# Altium PCB Mixed Signal Project.PcbDoc (part 3 of 3) (continued)
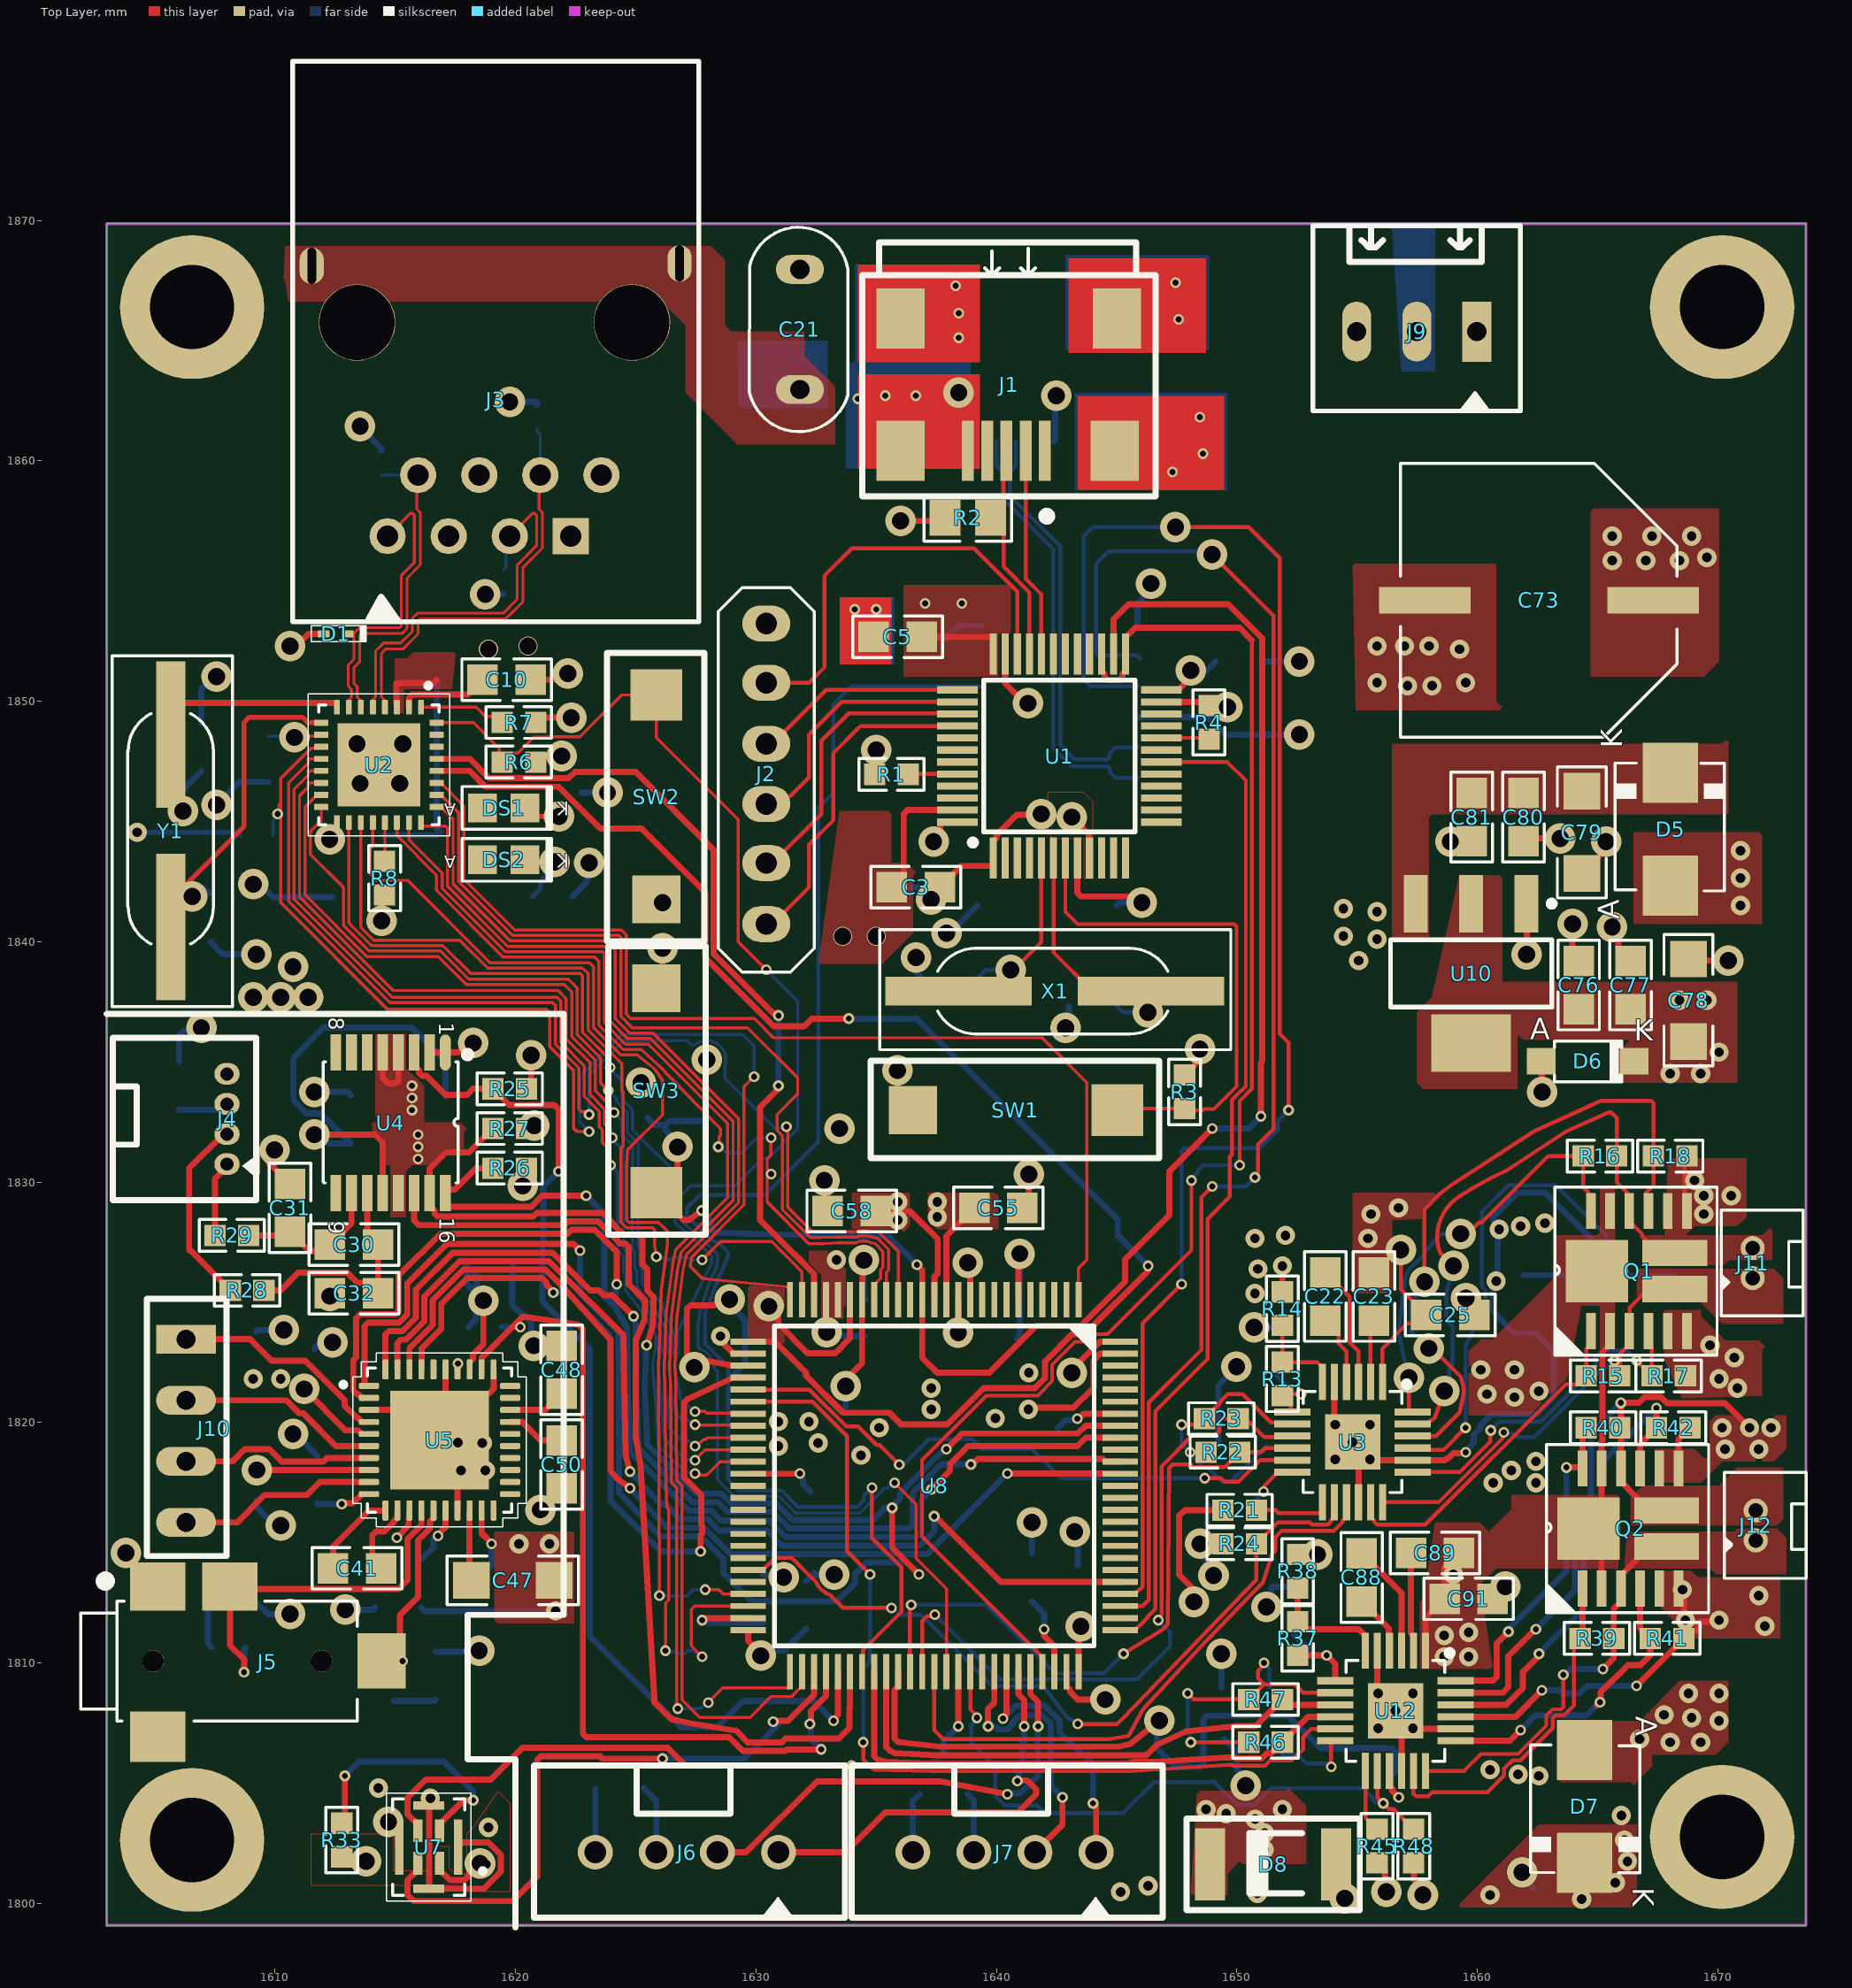
[diagram p0: Top Layer view]
## Nets (pads, with @x,y where several pads share a name; then routed paths per layer and width w, separated by ;. In a path a pad name is that pad's centre, name@x,y a point inside that pad or via, vN(x,y) a via of type N, cw(c..) or ccw(c..) an arc to the next point about the centre after c; other vN are vias at no path point) (continued)
  Bottom Layer w0.127: v1(1628.431,1831.467) 1628.511,1831.467 1628.765,1831.213 1629.41,1831.213 1630.045,1831.848 v1(1630.624,1831.848)
TX_D0: U2.24 U8.51 | length 52.5
  Top Layer w0.127: U2.24@1616.067,1844.955 1616.067,1844.864 1616.129,1844.802 1617.091,1844.802 1617.174,1844.719 1617.174,1842.312 1619.679,1839.807 1623.848,1839.807 1623.922,1839.732 1623.922,1836.708 1624.663,1835.967 1625.621,1835.967 1629.047,1832.542 1629.047,1829.247 1626.88,1827.081 1626.752,1826.473 1626.741,1826.392 1626.479,1824.419 1626.405,1822.337 1626.405,1822.335 ccw(c1627.43,1822.296) 1626.406,1822.246 1626.406,1822.24 1626.434,1821.73 1626.435,1821.648 1626.48,1817.496 1626.516,1817.459 1626.692,1817.283 1626.692,1808.15 v1(1626.743,1808.099) ; v1(1628.013,1808.353) 1628.618,1808.958 1631.347,1808.958 1631.411,1809.021 U8.51@1631.411,1809.632
  Bottom Layer w0.127: v1(1626.743,1808.099) 1627.679,1808.099 1627.933,1808.353 v1(1628.013,1808.353)
TX_D1: U2.25 U8.52 | length 53
  Top Layer w0.127: U2.25@1616.717,1845.605 1616.892,1845.605 1617.401,1845.096 1617.401,1842.406 1619.773,1840.034 1624.075,1840.034 1624.149,1839.959 1624.149,1836.802 1624.757,1836.194 1625.715,1836.194 1629.274,1832.636 1629.274,1829.153 1627.107,1826.987 1626.968,1826.367 1626.706,1824.325 1626.632,1822.325 1626.632,1822.323 ccw(c1627.43,1822.296) 1626.633,1822.247 1626.66,1821.806 1626.661,1821.737 1626.707,1817.59 1626.743,1817.553 1626.919,1817.377 1626.919,1808.472 1627.659,1807.733 1629.752,1807.733 1630.626,1808.607 1631.482,1808.607 1631.833,1808.958 1631.848,1808.958 1631.911,1809.021 U8.52@1631.911,1809.632
TX_D2: U2.26 U8.17 | length 36.7
  Top Layer w0.127: U2.26@1616.717,1846.105 1616.892,1846.105 1617.628,1845.369 1617.628,1842.5 1619.867,1840.261 1624.299,1840.261 1624.376,1840.184 1624.376,1836.896 1624.851,1836.421 1629.649,1836.421 1631.732,1834.338 1631.732,1833.669 1630.877,1832.813 1630.877,1832.145 1631.097,1831.924 1631.097,1828.862 1632.265,1827.694 1632.688,1827.694 1633.347,1827.709 1634.133,1827.713 cw(c1634.482,1826.749) 1634.842,1827.709 1635.051,1827.657 1635.072,1827.636 1635.508,1827.201 1635.508,1826.343 1635.415,1826.251 1635.415,1825.113 U8.17@1635.411,1825.108
TX_D3: U2.27 U8.1 | length 45.1
  Top Layer w0.127: U2.27@1616.717,1846.605 1616.892,1846.605 1617.855,1845.642 1617.855,1842.594 1619.961,1840.488 1624.393,1840.488 1624.603,1840.278 1624.603,1836.99 1624.792,1836.801 1629.932,1836.801 1630.73,1836.003 1641.892,1836.003 1643.761,1834.134 1643.761,1826.768 1643.411,1826.418 U8.1@1643.411,1825.108
TX_EN: U2.23 U8.48 | length 50.2
  Top Layer w0.127: U2.23@1615.567,1844.955 1615.567,1844.234 1616.947,1842.854 1616.947,1842.218 1619.585,1839.58 1623.621,1839.58 1623.695,1839.505 1623.695,1836.614 1624.569,1835.74 1625.527,1835.74 1628.82,1832.448 1628.82,1829.353 1626.653,1827.175 1626.539,1826.58 1626.525,1826.496 1626.252,1824.513 1626.179,1822.343 ccw(c1627.43,1822.296) 1626.179,1822.24 1626.179,1822.233 1626.184,1822.141 1626.208,1821.643 1626.253,1817.4 1626.29,1816.477 1626.37,1816.397 1626.37,1812.637 1626.235,1812.503 v1(1626.235,1810.512) ; v1(1627.759,1810.258) 1627.307,1810.71 1627.307,1812.219 1627.458,1812.37 U8.48@1629.673,1812.37
  Bottom Layer w0.127: v1(1626.235,1810.512) 1626.269,1810.478 1626.651,1810.478 1626.743,1810.385 1627.037,1810.385 1627.164,1810.512 1627.425,1810.512 1627.679,1810.258 v1(1627.759,1810.258)
USBD_N: J1.2 U1.32 | length 8.7
  Top Layer w0.166: J1.2@1641.214,1860.423 1641.214,1855.096 1641.868,1854.442 U1.32@1641.868,1851.961
USBD_P: J1.3 R2.2 U1.33 | length 9
  Top Layer w0.166: J1.3@1640.414,1860.423 1640.295,1860.304 1640.295,1855.601 1641.368,1854.528 U1.33@1641.368,1851.961
pads on no net: DS1.A DS2.A J1.1 J1.4 J3. J3.3 J3.4 J3.7 J3.8 J5. J5.4 J8.1 J8.4 J10. MH2.1 MH3.1 U1.2 U1.3 U1.4 U1.10 U1.11 U1.12 U1.13 U1.14 U1.15 U1.16 U1.17 U1.19 U1.21 U1.22 U1.28 U1.29 U1.30 U1.31 U1.41 U1.42 U1.43 U1.45 U1.46 U2.30 U2.31 U4.6 U4.7 U4.8 U4.9 U5.20 U5.21 U5.22 U5.23 U5.24 U5.25 U5.26 U5.29 U5.30 U5.36 U8.2 U8.3 U8.4 U8.5 U8.7 U8.8 U8.9 U8.15 U8.38 U8.39 U8.40 U8.41 U8.42 U8.43 U8.44 U8.46 U8.67 U8.77 U8.81 U8.82 U8.83 U8.84 U8.85 U8.86 U8.87 U8.88 U8.91 U8.95 U8.96 U8.97 U8.98 U9.7 U9.8 U9.9 U9.10 U9.11 U9.12 U9.13 U9.15
copper on no net:
  other v2: 1661.541,1821.053 1660.398,1821.18 1662.557,1821.307 1660.144,1822.196 1661.541,1822.196 1633.347,1826.768
  other v3: 1633.474,1832.229

## Polygon pours and split planes (outlines as drawn)
no net on Layer0 "Default Coverlay 1 Top" (split plane): 1286.565,858 448,858 448,1876 1282,1876
no net on Layer0 "Default Coverlay 1 Bottom" (split plane): 1286.565,858 448,858 448,1876 1282,1876
EARTH on Bottom Layer "Bottom Layer-EARTH" (solid, remove dead copper, pour order 79): 1629.156,1866.011 1633.093,1866.011 1633.093,1868.17 1662.811,1868.17 1662.811,1864.868 1665.351,1862.328 1673.733,1862.328 1673.733,1869.798 1673.663,1869.868 1602.994,1869.868 1602.994,1862.836 1614.043,1862.836 1621.829,1866.011
GND on Bottom Layer "GND_L04_P004" (solid, pour order 4): 1617.853,1853.057 1621.79,1853.057 1621.79,1850.644 1621.155,1850.009 1621.155,1843.786 1617.853,1843.786
GND on Bottom Layer "GND_L04_P051" (solid, remove dead copper, pour order 51): 1663.192,1828.673 1662.811,1828.292 1660.398,1828.292 1660.398,1826.895 1658.874,1825.371 1658.874,1823.339 1659.438,1823.339 1659.819,1823.72 1660.525,1823.72 1660.525,1824.101 1661.16,1824.736 1663.065,1824.736
GND on Bottom Layer "GND_L04_P072" (solid, remove dead copper, pour order 72): 1629.758,1825.547 1631.043,1825.547 1631.188,1825.402 1631.188,1823.156 1630.761,1822.729 1630.62,1822.87 1629.673,1822.87
GND on Bottom Layer "GND_L04_P070" (solid, remove dead copper, pour order 70): 1635.633,1824.228 1637.411,1824.228 1637.665,1823.974 1637.665,1822.45 1641.484,1822.45 1642.151,1823.117 1642.151,1824.33 1643.621,1824.33 1643.72,1824.231 1643.679,1824.19 1643.679,1822.602 1642.77,1822.602 1641.856,1821.688 1641.856,1819.275 1640.078,1819.275 1639.189,1820.164 1636.776,1820.164 1636.776,1821.561 1635.506,1822.831
GND on Bottom Layer "GND_L04_P069" (solid, remove dead copper, pour order 69): 1629.156,1820.545 1629.283,1820.418 1636.395,1820.418 1636.395,1818.802 1636.497,1818.7 1636.478,1818.681 1634.769,1818.681 1634.769,1817.141 1633.982,1816.354 1633.88,1816.456 1633.182,1816.456 1633.182,1817.662 1632.458,1818.386 1632.442,1818.37 1629.089,1818.37
NetC85_2 on Bottom Layer "NETC85_2_L04_P054" (solid, remove dead copper, pour order 54): 1658.747,1800.86 1660.584,1800.86 1661.668,1801.944 1661.668,1804.289 1666.621,1804.289 1666.875,1804.035 1666.875,1799.844 1658.874,1799.844 1658.747,1799.717
GND on Bottom Layer "GND_L04_P068" (solid, remove dead copper, pour order 68): 1658.642,1806.162 1658.737,1806.067 1665.097,1806.067 1665.097,1804.289 1664.97,1804.162 1658.62,1804.162
GND on Bottom Layer "GND_L04_P067" (solid, remove dead copper, pour order 67): 1613.667,1805.564 1617.042,1805.434 1617.32,1802.781 1617.218,1802.679 1613.56,1802.679
+3V3 on Bottom Layer "+3V3_L04_P036" (solid, remove dead copper, pour order 36): 1616.964,1827.403 1617.091,1827.276 1618.615,1827.276 1618.615,1826.387 1619.377,1825.625 1619.377,1824.609 1619.123,1824.609 1618.615,1824.101 1618.615,1823.212 1617.218,1823.212 1617.091,1823.339
+3V3 on Bottom Layer "+3V3_L04_P003" (solid, remove dead copper, pour order 3): 1619.758,1842.833 1619.758,1840.23 1607.947,1840.23 1607.947,1845.12 1613.408,1845.12 1613.408,1842.707
+1V8 on Bottom Layer "+1V8_L04_P056" (solid, remove dead copper, pour order 56): 1647.063,1804.797 1649.222,1804.797 1649.603,1804.416 1657.096,1804.416 1657.858,1803.654 1661.287,1803.654 1661.287,1801.691 1661.351,1801.627 1661.219,1801.495 1647.063,1801.495
+3V3 on Bottom Layer "+3V3_L04_P065" (solid, remove dead copper, pour order 65): 1613.433,1802.422 1613.522,1802.511 1619.504,1802.511 1619.504,1800.606 1619.631,1800.479 1619.504,1800.352 1613.408,1800.352
+3V3 on Bottom Layer "+3V3_L04_P032" (solid, pour order 32): 1612.773,1822.323 1608.455,1822.323 1608.455,1817.751 1610.106,1817.751 1610.106,1820.037 1612.773,1820.037
NetC65_1 on Bottom Layer "NETC65_1_L04_P060" (solid, remove dead copper, pour order 60): 1631.727,1826.514 1633.347,1826.514 1633.347,1824.498 1633.306,1824.457 1633.61,1824.152 1635.43,1824.152 1635.43,1823.542 1636.497,1822.475 1636.497,1820.834 1634.795,1820.834 1634.693,1820.732 1634.592,1820.834 1634.592,1822.409 1632.56,1822.409 1632.56,1820.545 1630.807,1820.545 1630.807,1822.196 1631.483,1822.196 1631.597,1822.31
GND on Bottom Layer "GND_L04_P059" (solid, remove dead copper, pour order 59): 1653.734,1801.241 1645.158,1801.241 1644.523,1800.606 1644.396,1800.733 1642.618,1800.733 1642.618,1799.971 1642.872,1799.717 1653.837,1799.717
GND on Bottom Layer "GND_L04_P052" (solid, remove dead copper, pour order 52): 1662.867,1819.092 1662.867,1813.585 1661.953,1812.671 1660.652,1812.671 1660.144,1813.179 1660.144,1817.497 1661.287,1818.64
GND on Bottom Layer "GND_L04_P050" (solid, remove dead copper, pour order 50): 1654.81,1829.562 1650.238,1829.562 1650.238,1825.371 1650.632,1824.977 1652.549,1824.977 1652.549,1827.301
+12V on Bottom Layer "+12V_L04_P046" (solid, remove dead copper, pour order 46): 1654.81,1825.498 1656.461,1825.498 1656.461,1828.038 1656.715,1828.292 1659.89,1828.292 1659.89,1829.562 1654.81,1829.562
GND on Bottom Layer "GND_L04_P047" (solid, remove dead copper, pour order 47): 1653.794,1843.405 1658.112,1843.405 1658.112,1845.31 1660.271,1845.31 1660.271,1843.532 1659.763,1843.024 1659.763,1842.262 1656.842,1842.262 1656.715,1842.135 1656.715,1838.579 1653.921,1838.579 1653.794,1838.706
SP_1 on Bottom Layer "SP_1_L04_P042" (solid, remove dead copper, pour order 42): 1668.78,1819.148 1668.667,1819.035 1668.667,1817.37 1667.256,1817.37 1667.002,1817.116 1667.002,1813.814 1667.383,1813.814 1667.383,1812.544 1669.288,1810.639 1672.844,1810.639 1672.844,1813.687 1669.923,1813.687 1669.923,1817.878 1670.558,1818.513 1672.717,1818.513 1672.717,1820.545 1672.844,1820.672 1669.669,1820.672 1669.669,1819.91 1668.907,1819.148
+1V8 on Bottom Layer "+1V8_L04_P037" (solid, remove dead copper, pour order 37): 1614.644,1822.45 1619.885,1822.45 1619.885,1820.291 1619.504,1819.91 1614.813,1819.91
GND on Bottom Layer "GND_L04_P035" (solid, remove dead copper, pour order 35): 1616.698,1820.418 1620.139,1820.418 1620.139,1817.243 1619.885,1816.989 1616.698,1816.989
GND on Bottom Layer "GND_L04_P034" (solid, remove dead copper, pour order 34): 1619.123,1815.592 1622.425,1815.592 1622.552,1815.465 1622.425,1815.338 1622.425,1811.782 1619.25,1811.782 1619.123,1811.655
NetC34_1 on Bottom Layer "NETC34_1_L04_P031" (solid, pour order 31): 1614.805,1820.037 1616.71,1820.037 1617.091,1819.656 1617.091,1813.56 1613.535,1813.56 1613.408,1813.687 1613.408,1815.084 1615.059,1815.084 1615.313,1815.338 1615.313,1816.735 1614.932,1816.735
+3V3 on Bottom Layer "+3V3_L04_P029" (solid, remove dead copper, pour order 29): 1614.805,1828.673 1614.805,1830.578 1614.17,1831.213 1614.17,1832.356 1617.98,1832.356 1617.98,1830.959 1616.456,1830.959 1615.948,1830.451 1615.44,1830.451 1615.44,1828.673
SP on Bottom Layer "SP_L04_P027" (solid, remove dead copper, pour order 27): 1668.272,1829.435 1670.05,1829.435 1670.05,1822.958 1671.066,1821.942 1671.066,1820.926 1668.399,1820.926 1668.272,1821.053
GND on Bottom Layer "tga" (solid, remove dead copper, pour order 21): 1659.763,1843.405 1659.763,1842.008 1659.636,1841.881 1656.461,1841.881 1656.461,1838.706 1653.794,1838.706 1653.794,1843.405
+12V on Bottom Layer "+12V_L04_P019" (solid, pour order 19): 1666.494,1844.675 1671.955,1844.675 1671.955,1840.611 1671.828,1840.484 1666.367,1840.484
GND on Bottom Layer "GND_L04_P016" (solid, pour order 16): 1654.556,1855.597 1661.16,1855.597 1661.287,1855.47 1660.906,1855.089 1660.906,1849.501 1655.064,1849.501 1654.683,1849.12
+12V on Bottom Layer "+12V_L04_P014" (solid, pour order 14): 1664.589,1858.264 1670.431,1858.264 1670.812,1857.883 1670.558,1857.629 1670.558,1851.279 1664.716,1851.279 1664.462,1851.533
GND on Bottom Layer "GND_L04_P011" (solid, remove dead copper, pour order 11): 1633.474,1845.818 1633.855,1845.437 1635.379,1845.437 1635.379,1843.786 1635.887,1843.278 1636.522,1843.278 1636.522,1840.357 1635.506,1839.341 1632.839,1839.341
+3V3 on Bottom Layer "+3V3_L04_P010" (solid, remove dead copper, pour order 10): 1636.077,1854.835 1640.523,1854.835 1640.523,1852.803 1640.014,1852.803 1640.014,1851.025 1636.077,1851.025
+3V3 on Bottom Layer "+3V3_L04_P007" (solid, remove dead copper, pour order 7): 1640.395,1846.453 1644.078,1846.453 1644.078,1840.611 1640.649,1840.611 1640.395,1840.865
no net on Bottom Layer "NONET_L04_P006" (solid, pour order 6): 1640.459,1842.262 1643.761,1842.262 1643.761,1840.865 1643.634,1840.738 1640.459,1840.738
GND on Bottom Layer "GND_L04_P005" (solid, pour order 5): 1623.301,1840.23 1607.82,1840.23 1607.693,1840.103 1608.074,1839.722 1608.074,1836.928 1620.301,1836.928
NetC22_1 on Bottom Layer "NETC22_1_L04_P002" (solid, remove dead copper, pour order 2): 1615.44,1852.168 1615.44,1850.771 1615.948,1850.263 1617.726,1850.263 1617.726,1852.168
SP_2 on Top Layer "SP_2_L01_P040" (solid, remove dead copper, pour order 40): 1667.51,1813.814 1668.907,1813.814 1669.161,1813.56 1672.59,1813.56 1672.59,1811.02 1668.907,1811.02 1667.637,1812.29 1667.51,1812.417
NetC21_1 on Top Layer "NETC21_1_L01_P078" (solid, remove dead copper, pour order 78): 1610.413,1868.932 1628.14,1868.932 1628.713,1868.359 1628.713,1865.63 1628.967,1865.376 1632.015,1865.376 1632.015,1864.36 1633.285,1863.09 1633.285,1860.677 1629.221,1860.677 1627.062,1862.836 1627.062,1865.63 1625.792,1866.9 1625.524,1866.632 1610.335,1866.632
GND on Top Layer "GND_L01_P071" (solid, remove dead copper, pour order 71): 1629.663,1825.723 1629.819,1825.879 1631.188,1825.879 1631.188,1822.771 1631.121,1822.704 1628.775,1822.704 1628.775,1823.025 1628.835,1823.085 1629.664,1823.085
AIN0 on Top Layer "AIN0_L01_P064" (solid, remove dead copper, pour order 64): 1611.503,1802.895 1614.932,1802.895 1614.932,1801.368 1616.329,1801.368 1616.329,1802.384 1617.218,1802.384 1617.218,1801.495 1617.472,1801.241 1617.977,1801.241 1617.977,1802.895 1618.231,1803.149 1619.267,1804.653 1619.758,1804.162 1619.758,1800.479 1617.977,1800.479 1617.723,1800.733 1611.503,1800.733
NetC85_2 on Top Layer "NETC85_2_L01_P055" (solid, remove dead copper, pour order 55): 1659.128,1799.844 1662.557,1803.273 1666.621,1803.273 1666.621,1799.971 1666.494,1799.844
+12V on Top Layer "+12V_L01_P053" (solid, remove dead copper, pour order 53): 1663.446,1807.591 1666.748,1807.591 1668.415,1809.258 1670.389,1809.258 1670.431,1809.216 1670.431,1806.702 1669.923,1806.194 1667.256,1806.194 1667.256,1805.686 1666.494,1804.924 1666.367,1805.051 1663.446,1805.051
GND on Top Layer "GND_L01_P066" (solid, remove dead copper, pour order 66): 1614.17,1836.293 1614.297,1836.166 1615.44,1836.166 1615.44,1834.756 1616.202,1833.994 1616.202,1832.483 1614.424,1832.483 1614.17,1832.737
+1V8 on Top Layer "+1V8_L01_P058" (solid, remove dead copper, pour order 58): 1648.079,1800.352 1649.603,1800.352 1649.603,1801.241 1650.111,1801.749 1650.222,1801.638 1652.88,1801.638 1652.88,1804.06 1652.143,1804.797 1652.016,1804.67 1648.46,1804.67 1648.333,1804.543
NetC58_1 on Top Layer "NETC58_1_L01_P062" (solid, remove dead copper, pour order 62): 1633.982,1829.562 1636.395,1829.562 1636.395,1828.165 1636.141,1827.911 1636.014,1828.038 1633.982,1828.038
NetC55_1 on Top Layer "NETC55_1_L01_P063" (solid, remove dead copper, pour order 63): 1639.951,1829.562 1640.078,1829.435 1640.078,1828.038 1637.538,1828.038 1637.157,1828.419 1637.157,1829.562
NetC65_1 on Top Layer "NETC65_1_L01_P061" (solid, remove dead copper, pour order 61): 1632.712,1824.223 1632.712,1826.133 1632.204,1826.641 1632.204,1827.149 1633.728,1827.149 1633.728,1824.863 1633.642,1824.777 1633.642,1824.324
+12V on Top Layer "+12V_L01_P049" (solid, pour order 49): 1665.859,1816.989 1661.414,1816.989 1661.414,1816.405 1660.474,1815.465 1660.093,1815.846 1658.444,1815.846 1658.444,1812.41 1657.842,1811.807 1659.931,1811.807 1659.931,1813.093 1660.779,1813.941 1665.859,1813.941
+12V on Top Layer "+12V_L01_P044" (solid, remove dead copper, pour order 44): 1659.763,1828.546 1659.763,1829.562 1654.81,1829.562 1654.81,1825.625 1654.683,1825.498 1654.81,1825.371 1656.461,1825.371 1656.461,1828.419
SH2 on Top Layer "SH2_L01_P048" (solid, remove dead copper, pour order 48): 1666.877,1827.629 1666.877,1826.53 1666.893,1826.546 1670.254,1826.546 1670.509,1826.801 1670.549,1826.761 1672.262,1826.761 1672.262,1828.203 1671.839,1827.781 1666.893,1827.781 1666.893,1827.613 1666.909,1827.598
+12V on Top Layer "+12V_L01_P043" (solid, remove dead copper, pour order 43): 1658.239,1815.846 1660.017,1815.846 1660.017,1813.941 1660.652,1809.75 1657.604,1809.75 1657.604,1812.544 1657.731,1812.671 1657.731,1813.306 1657.858,1813.306
+12V on Top Layer "+12V_L01_P024" (solid, remove dead copper, pour order 24): 1665.097,1829.943 1665.224,1829.816 1665.732,1829.816 1665.732,1823.085 1665.097,1823.085 1665.097,1824.863 1664.335,1824.863 1663.712,1821.827 1662.176,1820.291 1659.636,1820.291 1659.636,1822.958 1660.144,1823.466 1660.652,1823.466 1663.192,1826.006 1663.192,1827.784 1664.97,1827.784 1665.097,1827.911
SP_1 on Top Layer "SP_1_L01_P041" (solid, remove dead copper, pour order 41): 1667.383,1817.497 1669.288,1817.497 1670.177,1818.386 1672.336,1818.386 1672.844,1818.894 1672.844,1820.291 1669.923,1820.291 1669.669,1820.037 1669.669,1818.513 1669.415,1818.513 1669.034,1818.894 1667.383,1818.894
SH1_2 on Top Layer "SH1_2_L01_P039" (solid, remove dead copper, pour order 39): 1666.24,1815.465 1670.685,1815.465 1670.812,1815.592 1672.463,1815.592 1672.844,1815.211 1672.844,1813.687 1669.923,1813.687 1669.669,1813.941 1666.24,1813.941 1666.113,1814.068
SH2_2 on Top Layer "SH2_2_L01_P038" (solid, remove dead copper, pour order 38): 1666.367,1816.862 1666.875,1817.37 1670.05,1817.37 1670.812,1818.132 1672.717,1818.132 1672.717,1815.973 1672.463,1815.719 1666.367,1815.719
GND on Top Layer "GND_L01_P033" (solid, remove dead copper, pour order 33): 1622.425,1815.465 1619.123,1815.465 1619.123,1811.782 1619.25,1811.655 1622.425,1811.655
+3V3 on Top Layer "+3V3_L01_P030" (solid, remove dead copper, pour order 30): 1614.805,1828.546 1614.805,1830.705 1614.551,1830.705 1614.043,1831.213 1614.043,1832.483 1617.726,1832.483 1617.98,1832.229 1617.853,1832.102 1617.853,1830.705 1615.694,1830.705 1615.44,1830.451 1615.44,1828.546
GND on Top Layer "GND_L01_P028" (solid, pour order 28): 1614.17,1834.515 1614.276,1834.409 1615.8,1834.409 1616.202,1834.007 1616.202,1832.483 1614.424,1832.483 1614.17,1832.737
SP on Top Layer "SP_L01_P026" (solid, remove dead copper, pour order 26): 1667.764,1824.672 1669.288,1824.672 1669.288,1824.418 1670.304,1823.402 1671.701,1823.402 1671.955,1823.149 1671.828,1823.021 1671.828,1821.116 1668.526,1820.989 1667.764,1822.64
SP on Top Layer "SP_L01_P025" (solid, remove dead copper, pour order 25): 1667.931,1830.991 1671.193,1830.991 1671.193,1828.546 1670.812,1828.165 1669.034,1828.165 1668.018,1827.149 1667.764,1827.149
SH1 on Top Layer "SH1_L01_P023" (solid, remove dead copper, pour order 23): 1666.621,1826.387 1672.336,1826.387 1672.717,1826.006 1672.717,1824.101 1670.177,1824.101 1669.034,1825.244 1666.621,1825.244
+3V3 on Top Layer "+3V3_L01_P020" (solid, remove dead copper, pour order 20): 1659.255,1842.77 1660.906,1842.77 1661.033,1842.643 1661.033,1838.325 1670.812,1838.325 1670.812,1834.134 1666.494,1834.134 1665.859,1834.134 1665.859,1835.404 1666.367,1835.912 1661.922,1835.912 1661.668,1836.166 1661.668,1833.88 1657.731,1833.88 1657.477,1834.134 1657.477,1837.055 1658.112,1837.69
+12V on Top Layer "+12V_L01_P018" (solid, pour order 18): 1666.494,1844.548 1671.701,1844.548 1671.828,1844.421 1671.828,1840.738 1666.494,1840.738
NetC79_2 on Top Layer "NETC79_2_L01_P017" (solid, pour order 17): 1670.431,1848.485 1670.177,1848.231 1656.461,1848.231 1656.461,1840.23 1656.588,1840.103 1657.985,1840.103 1657.985,1845.183 1658.112,1845.31 1670.431,1845.31
GND on Top Layer "GND_L01_P015" (solid, pour order 15): 1654.81,1855.724 1660.779,1855.724 1660.779,1850.009 1661.033,1849.755 1660.906,1849.628 1654.937,1849.628
+12V on Top Layer "+12V_L01_P013" (solid, pour order 13): 1664.716,1857.883 1664.843,1858.01 1670.05,1858.01 1670.05,1851.66 1669.415,1851.025 1664.716,1851.025
GND on Top Layer "GND_L01_P012" (solid, remove dead copper, pour order 12): 1633.474,1845.437 1635.506,1845.437 1635.633,1845.31 1635.633,1843.278 1636.268,1843.278 1636.649,1842.897 1636.522,1842.77 1636.522,1840.357 1635.252,1839.087 1632.585,1839.087
+3V3 on Top Layer "+3V3_L01_P009" (solid, remove dead copper, pour order 9): 1636.141,1854.835 1640.586,1854.835 1640.586,1852.803 1640.078,1852.803 1640.078,1851.025 1636.141,1851.025
TD_N on Top Layer "TD_N_L01_P008" (solid, remove dead copper, pour order 8): 1644.015,1842.643 1644.015,1845.818 1643.634,1846.199 1642.11,1846.199 1642.11,1844.548 1642.364,1844.294 1643.634,1844.294 1643.634,1842.643
NetC11_1 on Top Layer "NETC11_1_L01_P000" (solid, remove dead copper, pour order 0): 1614.847,1849.501 1614.974,1849.628 1614.974,1851.787 1615.482,1851.787 1615.736,1852.041 1617.514,1852.041 1617.345,1850.517 1615.355,1850.517 1615.355,1849.501 1614.974,1849.501
+1V8 on VCC (split plane): 1622.042,1812.456 1616.219,1806.634 1612.113,1806.634 1612.063,1806.624 1612.021,1806.596 1611.993,1806.554 1611.983,1806.504 1611.983,1801.901 1611.993,1801.852 1612.021,1801.81 1612.935,1800.895 1612.977,1800.867 1613.027,1800.858 1644.523,1800.858 1644.573,1800.867 1644.615,1800.895 1649.53,1805.811 1651.2,1805.811 1652.776,1804.235 1652.776,1799.592 1603.504,1799.592 1603.504,1808.859 1616.075,1808.859 1616.125,1808.868 1616.167,1808.896 1618.072,1810.801 1618.1,1810.843 1618.109,1810.893 1618.109,1818.259 1618.1,1818.309 1618.072,1818.351 1618.03,1818.379 1617.98,1818.388 1615.367,1818.388 1614.807,1818.948 1614.807,1823.718 1622.042,1823.718
+3V3 on VCC (split plane): 164 vertices, not listed, extent 1603.504,1799.592 1671.318,1865.807
+12V on VCC (split plane): 1662.182,1866.692 1662.182,1864.36 1662.191,1864.262 1662.22,1864.168 1662.266,1864.081 1662.329,1864.005 1664.361,1861.973 1664.437,1861.91 1664.524,1861.864 1664.618,1861.835 1664.716,1861.826 1673.154,1861.826 1673.154,1799.592 1658.98,1799.592 1658.98,1803.549 1658.973,1803.624 1658.951,1803.696 1658.916,1803.762 1658.868,1803.82 1657.875,1804.814 1657.817,1804.861 1657.751,1804.897 1657.679,1804.918 1657.604,1804.926 1654.588,1804.926 1653.415,1806.099 1653.415,1829.276 1654.08,1829.941 1664.081,1829.941 1664.156,1829.949 1664.228,1829.97 1664.294,1830.006 1664.352,1830.053 1665.129,1830.83 1671.701,1830.83 1671.776,1830.838 1671.848,1830.859 1671.914,1830.895 1671.972,1830.942 1672.019,1831 1672.055,1831.066 1672.076,1831.138 1672.084,1831.213 1672.084,1839.849 1672.076,1839.924 1672.055,1839.996 1672.019,1840.062 1671.972,1840.12 1671.914,1840.167 1671.848,1840.203 1671.776,1840.224 1671.701,1840.232 1665.226,1840.232 1665.226,1849.501 1665.218,1849.576 1665.197,1849.648 1665.161,1849.714 1665.114,1849.772 1665.056,1849.819 1664.99,1849.855 1664.918,1849.876 1664.843,1849.884 1664.083,1849.884 1664.083,1856.359 1664.075,1856.434 1664.054,1856.506 1664.018,1856.572 1663.971,1856.63 1663.913,1856.677 1663.847,1856.713 1663.775,1856.734 1663.7,1856.742 1653.542,1856.742 1653.542,1866.906 1661.968,1866.906
EARTH on VCC (split plane): 1673.154,1869.357 1673.154,1862.83 1664.924,1862.83 1663.186,1864.568 1663.186,1866.9 1663.177,1866.998 1663.148,1867.092 1663.102,1867.179 1663.039,1867.255 1662.531,1867.763 1662.455,1867.826 1662.368,1867.872 1662.274,1867.901 1662.176,1867.91 1652.524,1867.91 1652.426,1867.901 1652.332,1867.872 1652.245,1867.826 1652.169,1867.763 1652.106,1867.687 1652.06,1867.6 1652.031,1867.506 1652.022,1867.408 1652.022,1866.473 1650.411,1864.862 1617.853,1864.862 1617.755,1864.853 1617.661,1864.824 1617.574,1864.778 1617.498,1864.715 1615.232,1862.449 1603.504,1862.449 1603.504,1869.358
GND on GND (split plane): 1673.154,1869.357 1673.154,1799.592 1603.504,1799.592 1603.504,1806.319 1616.583,1806.319 1616.633,1806.328 1616.675,1806.356 1622.263,1811.944 1622.291,1811.986 1622.3,1812.036 1622.3,1825.117 1622.291,1825.167 1622.263,1825.209 1622.221,1825.237 1622.171,1825.246 1620.139,1825.246 1620.089,1825.237 1620.047,1825.209 1620.019,1825.167 1620.01,1825.117 1620.019,1825.067 1620.047,1825.025 1620.089,1824.997 1620.139,1824.988 1622.042,1824.988 1622.042,1812.09 1616.529,1806.577 1603.504,1806.577 1603.504,1827.655 1613.535,1827.655 1613.585,1827.664 1613.627,1827.692 1613.655,1827.734 1613.664,1827.784 1613.655,1827.834 1613.627,1827.876 1613.585,1827.904 1613.535,1827.913 1603.504,1827.913 1603.504,1836.672 1621.663,1836.672 1621.787,1829.107 1620.593,1827.913 1618.615,1827.913 1618.565,1827.904 1618.523,1827.876 1618.495,1827.834 1618.486,1827.784 1618.495,1827.734 1618.523,1827.692 1618.565,1827.664 1618.615,1827.655 1620.647,1827.655 1620.697,1827.664 1620.739,1827.692 1622.009,1828.962 1622.009,1828.963 1622.01,1828.964 1622.023,1828.984 1622.037,1829.004 1622.037,1829.006 1622.042,1829.03 1622.046,1829.054 1622.046,1829.055 1622.046,1829.056 1621.92,1836.799 1621.967,1836.809 1622.009,1836.837 1622.037,1836.879 1622.046,1836.929 1622.036,1836.978 1622.008,1837.02 1621.966,1837.048 1621.916,1837.057 1603.504,1836.935 1603.504,1869.358

## Keep-outs
Keep-Out Layer:
  the board outline again, w0.127

## Other copper
Top Layer:
  rectangle net GND: 1643.38,1858.772 1649.476,1862.709
  rectangle net GND: 1642.999,1864.487 1648.714,1868.424
  rectangle net GND: 1634.236,1859.661 1639.316,1863.598
  rectangle net GND: 1634.236,1864.106 1639.316,1868.17
  rectangle net GND: 1633.474,1851.533 1635.633,1854.327
Bottom Layer:
  rectangle net GND: 1643.253,1858.772 1649.603,1862.836
  rectangle net GND: 1642.872,1864.614 1648.841,1868.551
  rectangle net GND: 1633.728,1859.661 1638.935,1864.106
  rectangle net GND: 1634.109,1864.106 1639.316,1868.17
  rectangle net GND: 1633.474,1851.533 1635.76,1854.327
  region net EARTH: 1656.461,1869.694 1656.588,1869.821 1658.239,1869.821 1658.239,1863.725 1656.842,1863.725
  region net NetC21_1: 1629.22,1864.995 1632.966,1864.995 1632.966,1862.201 1629.41,1862.201 1629.283,1862.328
GND (plane layer: these items are gaps in the copper):
  lines w0.254: 1602.486,1806.448 1616.583,1806.448 1622.171,1812.036 1622.171,1825.117 1620.139,1825.117 ; 1602.867,1827.784 1613.535,1827.784 ; 1618.615,1827.784 1620.647,1827.784 1621.917,1829.054 1621.79,1836.801 1602.867,1836.801 1621.917,1836.928
VCC (plane layer: these items are gaps in the copper):
  lines w0.254: 1602.74,1808.988 1616.075,1808.988 1617.98,1810.893 1617.98,1818.259 1615.313,1818.259 1614.678,1818.894 1614.678,1823.847 1622.171,1823.847 ; 1602.74,1827.784 1613.281,1827.784 ; 1602.74,1836.801 1621.536,1836.801 1622.044,1836.801 1621.917,1836.674 1621.917,1828.927 1620.774,1827.784 1618.488,1827.784 ; 1620.139,1825.244 1622.171,1825.244 1622.171,1812.402 1616.273,1806.504 1612.113,1806.504 1612.113,1801.901 1613.027,1800.987 1644.523,1800.987 1649.476,1805.94 1651.254,1805.94 1652.905,1804.289 1652.905,1799.082
  lines w0.762: 1653.159,1867.408 1653.159,1856.359 1663.192,1856.359 1663.7,1856.359 1663.7,1849.501 1664.843,1849.501 1664.843,1839.849 1671.701,1839.849 1671.701,1831.213 1664.97,1831.213 1664.081,1830.324 1653.921,1830.324 1653.032,1829.435 1653.032,1805.94 1654.429,1804.543 1657.604,1804.543 1658.598,1803.549 1658.598,1799.263
  lines w1: 1602.867,1861.947 1615.44,1861.947 1617.853,1864.36 1650.619,1864.36 1652.524,1866.265 1652.524,1867.408 1662.176,1867.408 1662.684,1866.9 1662.684,1864.36 1664.716,1862.328 1673.595,1862.328

## Silkscreen, mask and mechanical layers (free items; w line width, h text height)
Top Overlay:
  lines w0.254: 1603,1837 1622,1837 1622,1831 1622,1812 1618,1812 1618,1806 1620,1806 1620,1799

## Text inside footprints (layer, text, board x,y; h text height)
D5: Top Overlay "A" at 1665.893,1840.925 h0.89 r90; Top Overlay "K" at 1666.018,1848.05 h0.89 r90
D6: Top Overlay "K" at 1666.514,1835.879 h0.89; Top Overlay "A" at 1662.201,1835.946 h0.89
D7: Top Overlay "A" at 1666.587,1807.785 h0.89 r270; Top Overlay "K" at 1666.462,1800.66 h0.89 r270
DS1: Top Overlay "K" at 1622.232,1845.814 h0.56 r180; Top Overlay "A" at 1617.52,1845.739 h0.51 r180
DS2: Top Overlay "K" at 1622.232,1843.655 h0.56 r180; Top Overlay "A" at 1617.52,1843.58 h0.51 r180
U4: Top Overlay "1" at 1616.816,1836.635 h0.64 r270; Top Overlay "16" at 1616.837,1828.546 h0.64 r270; Top Overlay "9" at 1612.244,1828.38 h0.64 r270; Top Overlay "8" at 1612.24,1836.852 h0.64 r270
U9: Bottom Overlay "1" at 1646.707,1853.667 h0.89; Bottom Overlay "8" at 1646.634,1842.707 h0.89; Bottom Overlay "9" at 1638.74,1842.83 h0.89; Bottom Overlay "16" at 1639.468,1853.794 h0.89